# Altium PCB G431_Dev_V2.PcbDoc (part 1 of 2) (continued)
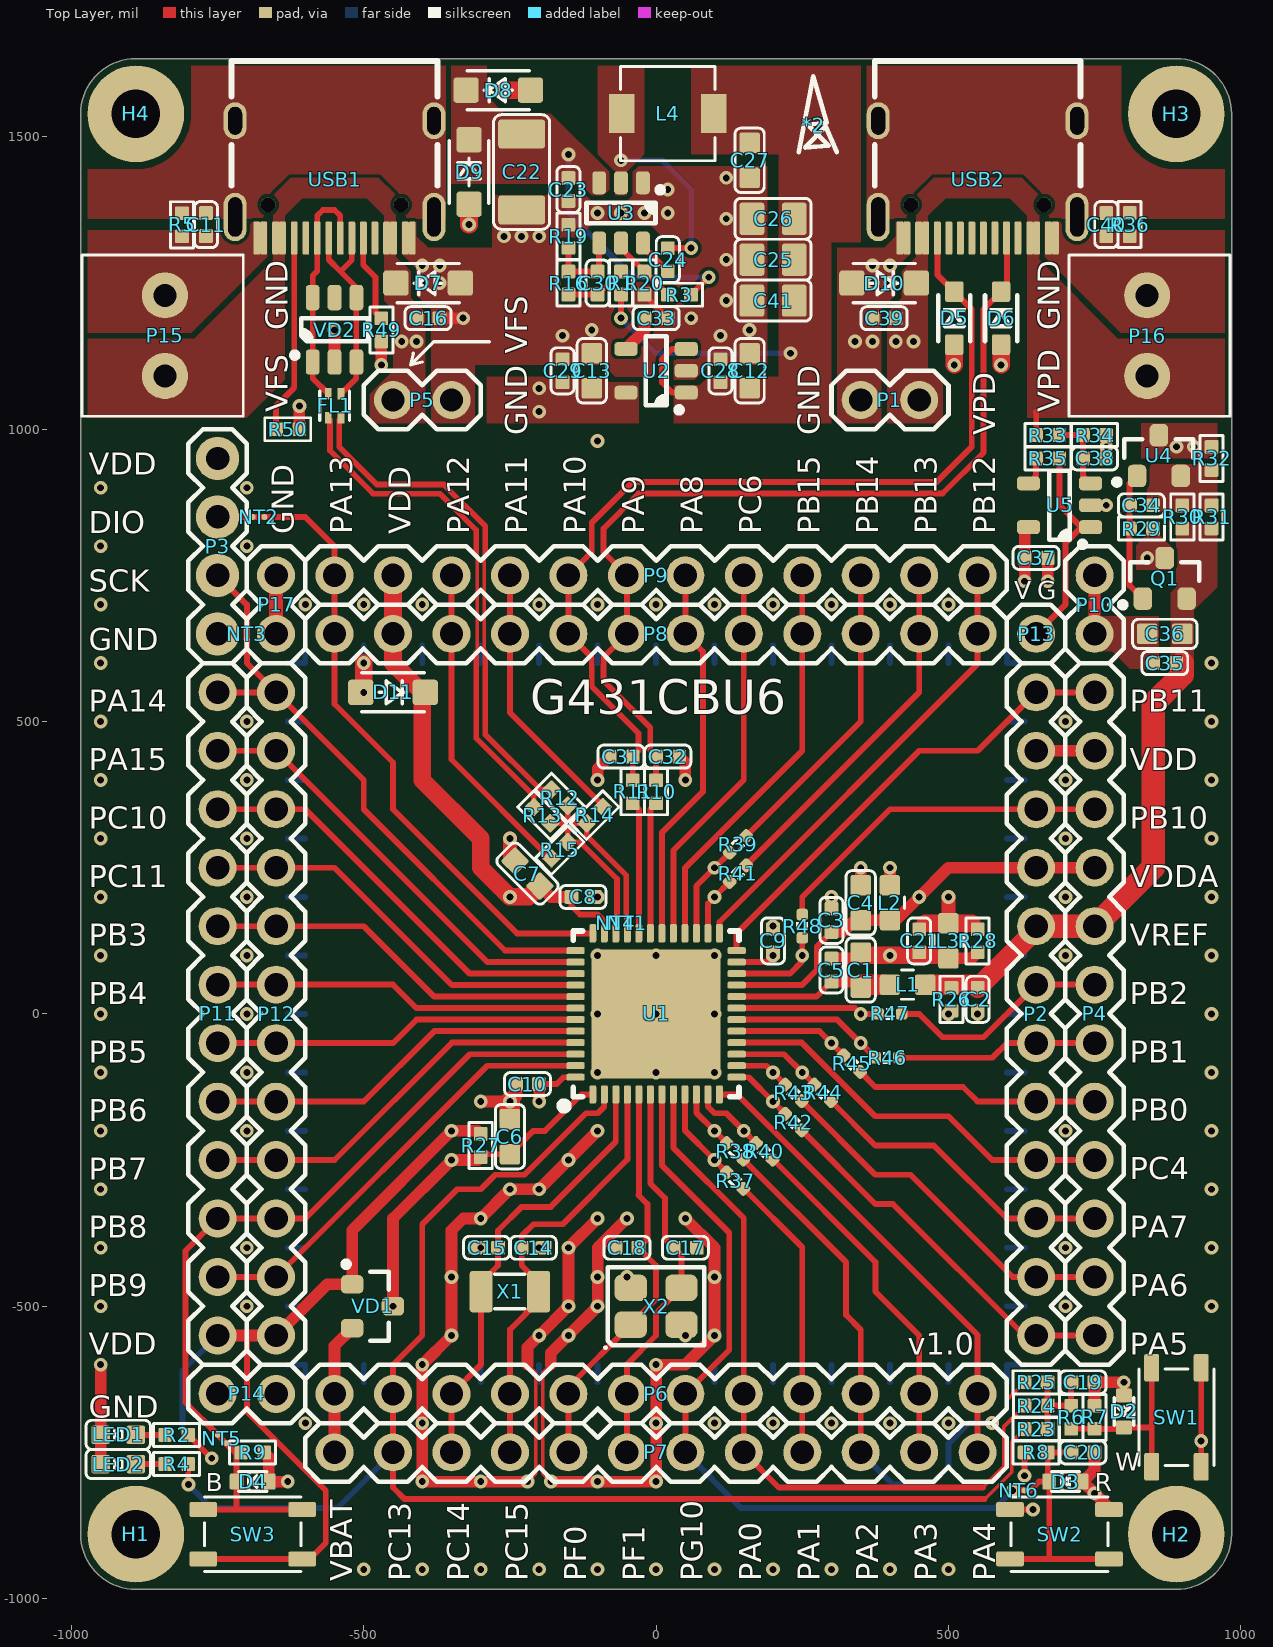
[diagram p0: Top Layer view]
## Components (designator, comment, footprint, x,y, rotation, side; value= is the part's Value field where it differs from the comment) (continued)
NT2 "NetTie" NetTie_D=10MIL_C=10MIL -670,850 r180 top net-tie value=NetTie_200um
NT3 "NetTie" NetTie_D=10MIL_C=10MIL -700,640 r90 top net-tie value=NetTie_200um
NT4 "NetTie" NetTie_D=10MIL_C=10MIL -68.9,145 r90 top net-tie value=NetTie_200um
NT5 "NetTie" NetTie_D=10MIL_C=10MIL -750,-720 r315 top net-tie value=NetTie_200um
NT6 "NetTie" NetTie_D=10MIL_C=10MIL 630,-815 r180 top net-tie value=NetTie_200um
P1 "CONN_X2" 2.54mm_Male_x2 450,1050 r180 top
P2 "CONN_X12" 2.54MM_MALE_X12#1 650,-550 r90 top locked
P3 "CONN_X4" 2.54mm_Male_x4 -750,950 r270 top
P4 "CONN_X12" 2.54MM_MALE_X12#2 750,-550 r90 top locked
P5 "CONN_X2" 2.54mm_Male_x2 -450,1050 r0 top
P6 "CONN_X12" 2.54MM_MALE_X12#1 -550,-650 r0 top locked
P7 "CONN_X12" 2.54MM_MALE_X12#2 -550,-750 r0 top locked
P8 "CONN_X12" 2.54MM_MALE_X12#1 -550,650 r0 top locked
P9 "CONN_X12" 2.54MM_MALE_X12#2 -550,750 r0 top locked
P10 "CONN_X2" 2.54mm_Male_x2 750,650 r90 top
P11 "CONN_X12" 2.54MM_MALE_X12#2 -750,-550 r90 top locked
P12 "CONN_X12" 2.54MM_MALE_X12#3 -650,-550 r90 top locked
P13 "CONN_X1" 2.54mm_Male_x1 650,650 r90 top
P14 "CONN_X2" 2.54mm_Male_x2 -650,-650 r180 top
P15 "CONN_X2" TE_1776275-2 -840,1160 r270 top
P16 "CONN_X2" TE_1776275-2 840,1160 r90 top
P17 "CONN_X2" 2.54mm_Male_x2 -650,650 r90 top
Q1 "MMBT2222ALT1G" "INFINEON SOT-23-3" 870,745 r90 top
R1 "49.9R" R0402 -60,1250 r90 top
R2 "2K" R0402 -820,-720 r180 top
R3 "DNP" R0402 40,1230 r180 top
R4 "2K" R0402 -820,-770 r180 top
R5 "1M" R0402 -810.83,1349.69 r90 top
R6 "330R" R0402 710,-690 r270 top
R7 "100K" R0402 750,-690 r90 top
R8 "10K" R0402 650,-750 r0 top
R9 "100K" R0402 -690,-750 r0 top
R10 "0R" R0402 0,380 r270 top
R11 "0R" R0402 -40,380 r270 top
R12 "0R" R0402 -165,370 r315 top
R13 "0R" R0402 -195,340 r315 top
R14 "0R" R0402 -105,340 r225 top
R15 "0R" R0402 -165,280 r45 top
R16 "100K" R0402 -150,1250 r90 top
R19 "13.3K" R0402 -150,1330 r90 top
R20 "105K" R0402 -20,1250 r270 top
R23 "DNP/220R" R0402 650,-710 r0 top
R24 "DNP/220R" R0402 650.31,-670 r0 top
R25 "DNP/220R" R0402 650,-630 r0 top
R26 "0R" R0402 505,25 r90 top
R27 "0R" R0402 -300,-225 r270 top
R28 "0R" R0402 550,125 r90 top
R29 "180R" R0402 830,830 r0 top
R30 "10K 0.1%" R0402 900,850 r270 top
R31 "0R" R0402 950,850 r270 top
R32 "33K 0.1%" R0402 950,950 r270 top
R33 "330K" R0402 670,990 r180 top
R34 "49K9" R0402 750,990 r0 top
R35 "43K" R0402 670,950 r180 top
R36 "1M" R0402 810,1350 r90 top
R37 "0R" RES_TINY_0402 135,-285 r315 top
R38 "0R" RES_TINY_0402 135,-235 r315 top
R39 "0R" RES_TINY_0402 140,290 r225 top
R40 "0R" RES_TINY_0402 185,-235 r315 top
R41 "0R" RES_TINY_0402 140,240 r225 top
R42 "0R" RES_TINY_0402 235,-185 r135 top
R43 "0R" RES_TINY_0402 235,-135 r135 top
R44 "0R" RES_TINY_0402 285,-135 r135 top
R45 "0R" RES_TINY_0402 335,-85 r135 top
R46 "0R" RES_TINY_0402 395,-75 r180 top
R47 "0R" RES_TINY_0402 400,0 r180 top
R48 "0R" RES_TINY_0402 250,150 r270 top
R49 "5.1K" R0402 -470,1170 r90 top
R50 "5.1K" R0402 -630,1000 r0 top
SW1 "Button-4P" SWITCH_3X4X2.5_4PIN_SMD 890,-690 r90 top
SW2 "Button-4P" SWITCH_3X4X2.5_4PIN_SMD 690,-890 r180 top
SW3 "Button-4P" SWITCH_3X4X2.5_4PIN_SMD -690,-890 r0 top
U1 "STM32G431CBU6" UFQFPN-48_7X7X0P55MM 0,0 r90 top
U2 "ME6211C33M5G" "ANALOG TSOT-23-5 UJ-5" 0,1100 r180 top
U3 "TPS54302" "MICROCHIP SOT-23-6 M6"#1 -60,1370 r270 top
U4 "TL1431" "INFINEON SOT-23-3" 860,955 r90 top
U5 "OPA348" "ANALOG SOT-23-5 RJ-5" 690,870 r180 top
USB1 "Type-C" Type-C-TOP -550,1630 r90 top
USB2 "Type-C" Type-C-TOP 550,1630 r90 top
VD1 "BAT54" "INFINEON SOT-23-3" -485,-500 r0 top
VD2 "USBLC6-2" "MICROCHIP SOT-23-6 M6"#2 -550,1170 r90 top
X1 "32.768KHz" XTAL_2P_3215 -250,-475 r0 top
X2 "8MHz" "EPSON TSX-3225" 0,-500 r0 top

## Footprints (in the part's own frame and the unit in brackets; to place one, negate y for a bottom-side part, rotate by r counter-clockwise, add the part's x,y. Pads: shape width x height; smd on the part's side, far side on the other; paste and mask are expansions set on the pad)
2.54mm_Male_x1 [mm]
  round 1.65 hole 1.016: 1(0,0)
  silkscreen extent -1.27,-1.27 1.27,1.27
2.54mm_Male_x2 [mm]
  round 1.65 hole 1.016: 1(0,0) 2(2.54,0)
  silkscreen extent -1.27,-1.27 3.81,1.27
2.54mm_Male_x4 [mil]
  round 74 hole 40: 1(0,0) 2(100,0) 3(200,0) 4(300,0)
  silkscreen extent -50,-50 350,50
2.54MM_MALE_X12#1 [mm]
  round 1.65 hole 1.016 mask+0.051: 1(0,0) 2(2.54,0) 3(5.08,0) 4(7.62,0) 5(10.16,0) 6(12.7,0) 7(15.24,0) 8(17.78,0) 9(20.32,0) 10(22.86,0) 11(25.4,0) 12(27.94,0)
  silkscreen extent -1.27,-1.27 29.21,1.27
2.54MM_MALE_X12#2 [mm]
  round 1.65 hole 1.016: 1(0,0) 2(2.54,0) 3(5.08,0) 4(7.62,0) 5(10.16,0) 6(12.7,0) 7(15.24,0) 8(17.78,0) 9(20.32,0) 10(22.86,0) 11(25.4,0) 12(27.94,0)
  silkscreen extent -1.27,-1.27 29.21,1.27
2.54MM_MALE_X12#3 [mm]
  round 1.65 hole 1.016 paste+0 mask+0.051: 1(0,0)
  round 1.65 hole 1.016 mask+0.051: 2(2.54,0) 3(5.08,0) 4(7.62,0) 5(10.16,0) 6(12.7,0) 7(15.24,0) 8(17.78,0) 9(20.32,0) 10(22.86,0) 11(25.4,0) 12(27.94,0)
  silkscreen extent -1.27,-1.27 29.21,1.27
"ANALOG SOT-23-5 RJ-5" [mm] "SOT23, 5-Leads, Body 2.90x2.80mm, Pitch 0.95mm, IPC Medium Density"
  rrect50% 1x0.6 smd: 1(-1.35,0.95) 2(-1.35,0) 3(-1.35,-0.95) 4(1.35,-0.95) 5(1.35,0.95)
  silkscreen extent -1.13,-1.5 0.45,1.82, body extent -1.41,-1.45 1.41,1.45, height 1.5
"ANALOG TSOT-23-5 UJ-5" [mm] "SOT23, 5-Leads, Body 2.90x1.60mm, Pitch 0.95mm, IPC Medium Density"
  rrect50% 1x0.6 smd: 1(-1.31,0.95) 2(-1.31,0) 3(-1.31,-0.95) 4(1.31,-0.95) 5(1.31,0.95)
  silkscreen extent -1.13,-1.5 0.45,1.82, body extent -1.4,-1.45 1.4,1.45, height 1
C0402 [mm]
  rrect20% 0.6x0.6 smd: 1(-0.5,0) 2(0.5,0)
  silkscreen extent -1,-0.5 1,0.5, body extent -0.5,-0.26 0.5,0.26, height 0.52
C0603 [mil]
  rrect20% 35x35 smd: 1(-30,0) 2(30,0)
  silkscreen extent -55,-25 55,25, body extent -31,-16 32,16, height 32
C0805 [mil]
  rrect20% 42.5x55 smd: 1(-36.26,0) 2(36.26,0)
  silkscreen extent -65,-35 65,35, body extent -39,-25 39,25, height 49
C1206 [mil]
  rrect20% 50x80 smd: 1(-65,0) 2(65,0)
  silkscreen extent -98,-48 98,48, body extent -63,-32 63,32, height 64
"EPSON TSX-3225" [mm] "Crystal, 4-Leads, Body 2.50x3.20mm, Pitch 2.20mm, IPC Medium Density"
  rrect50% 1.4x1.15 smd: 1(-1.1,-0.8) 2(1.1,-0.8) 3(1.1,0.8) 4(-1.1,0.8)
  silkscreen extent -2.25,-1.85 2.1,1.7, body extent -1.61,-1.26 1.61,1.26, height 0.6
FER0603 [mil]
  rrect25% 35x35 smd: 1(-30,0) 2(30,0)
  silkscreen extent -10,-25 10,25, body extent -31,-16 32,16, height 32
FIL_1210_DLP11RB400UL2L [mm]
  rect 0.5x0.3 smd: 1(-0.525,0.275) 2(0.525,0.275) 3(0.525,-0.275) 4(-0.525,-0.275)
  silkscreen extent -0.63,-0.65 0.63,0.65, body extent -0.63,-0.5 0.63,0.5, height 0.6
"INDUCTOR 0420 4.6X4.1X2MM" [mm]
  rect 1.11x1.7 smd: 1(-1.995,0) 2(1.995,0)
  silkscreen extent -2.05,-2.05 2.05,2.05, body extent -2.24,-2.06 2.24,2.06, height 2.12
"INFINEON SOT-23-3" [mm] "SOT23, 3-Leads, Body 2.90x2.40mm, Pitch 0.95mm, IPC Medium Density"
  rrect50% 0.972x0.802 smd: 1(-0.885,0.95) 2(-0.885,-0.95) 3(0.885,0)
  silkscreen extent -1.27,-1.5 0.7,1.95, body extent -1.16,-1.45 1.16,1.45, height 1
LED0603_BLUE [mm] "Chip Diode, 2-Leads, Body 1.60x0.80mm, IPC Medium Density"
  rrect20% 0.8x0.8 smd: 1(-0.762,0) 2(0.762,0)
  silkscreen extent -1.4,-0.64 1.4,0.64, body extent -0.8,-0.4 0.8,0.4, height 0.53
LED0603_GREEN [mm] "Chip Diode, 2-Leads, Body 1.60x0.80mm, IPC Medium Density"
  rrect20% 0.8x0.8 smd: 1(-0.762,0) 2(0.762,0)
  silkscreen extent -1.4,-0.64 1.4,0.64, body extent -0.8,-0.4 0.8,0.4, height 0.53
"M2.1 D=4.2" [mm]
  round 4.2 hole 2.1: 1(0,0)
"MICROCHIP SOT-23-6 M6"#1 [mm] "SOT23, 6-Leads, Body 2.90x2.80mm, Pitch 0.95mm, IPC Medium Density"
  rrect50% 1x0.6 smd: 1(-1.31,0.95) 2(-1.31,0) 3(-1.31,-0.95) 4(1.31,-0.95) 5(1.31,0) 6(1.31,0.95)
  silkscreen extent -1.12,-1.5 0.45,1.83, body extent -1.46,-1.45 1.46,1.45, height 1.45
"MICROCHIP SOT-23-6 M6"#2 [mm] "SOT23, 6-Leads, Body 2.90x2.80mm, Pitch 0.95mm, IPC Medium Density"
  rrect50% 1.1x0.6 smd: 1(-1.4,0.95) 2(-1.4,0) 3(-1.4,-0.95) 4(1.4,-0.95) 5(1.4,0) 6(1.4,0.95)
  silkscreen extent -1.22,-1.45 0.5,1.85, body extent -1.46,-1.45 1.46,1.45, height 1.45
NetTie_D=10MIL_C=10MIL [mil]
  round 10 smd paste-78.74 mask-78.74: 1(0,0) 2(20,0)
  Top Layer region: 0,5 0,-5 20,-5 20,5
ODG_LOGO [mil]
  silkscreen extent -26,-46 39,84
R0402 [mm]
  rrect20% 0.6x0.6 smd: 1(-0.5,0) 2(0.5,0)
  silkscreen extent -1,-0.5 1,0.5, body extent -0.5,-0.25 0.5,0.25, height 0.35
RES_TINY_0402 [mil]
  rrect50% 20x20 smd: 1(-20,0) 2(20,0)
  silkscreen extent -7,-9 7,9, body extent -20,-10 20,10, height 14
SOD123F [mm] "SODFL, 2-Leads, Body 1.60x3.50mm, IPC Medium Density"
  rrect25% 1.1x1.1 smd: 1(-1.4,0) 2(1.4,0)
  silkscreen extent -1.35,-0.85 1.35,0.85, body extent -1.75,-0.8 1.75,0.8, height 1.1
SOD-323 [mm] "AND9137/D：Universal Footprint for  SO8FL Package"
  rrect25% 0.9x0.8 smd: 1(-1.15,0) 2(1.15,0)
  silkscreen extent -1,-0.7 1,0.7, body extent -1.36,-0.62 1.36,0.63, height 1.05
SOD-523 [mm]
  rrect25% 0.6x0.7 smd: 1(-0.7,0) 2(0.7,0)
  silkscreen extent -0.6,-0.43 0.6,0.43, body extent -0.8,-0.4 0.8,0.4, height 0.82
SWITCH_3X4X2.5_4PIN_SMD [mm]
  rrect25% 1.2x0.65 smd: 1(-2.15,1.075) 2(2.15,1.075) 3(-2.15,-1.075) 4(2.15,-1.075)
  silkscreen extent -2.1,-1.63 2.1,1.63, body extent -2.55,-1.6 2.55,1.6, height 2.5
TE_1776275-2 [mm]
  round 2 hole 1: 1(-1.75,0) 2(1.75,0)
  silkscreen extent -3.5,-3.6 3.5,3.4, body extent -4,-3.6 4,3.4, height 8.3
Type-C-TOP [mm]
  round 0.65 hole 0.65: 0(-6.25,-2.89) 0(-6.25,2.89)
  oval 1.6x1 hole 0.6 slot 1.2 at 0 deg: 1(-2.6,4.32) 2(-2.6,-4.32)
  oval 2.1x1 hole 0.6 slot 1.7 at 0 deg: 3(-6.78,-4.32) 4(-6.78,4.32)
  rrect50% 1.45x0.3 smd: A1(-7.695,-3.375) A4(-7.695,-2.562) A5(-7.695,-1.25) A6(-7.695,-0.25) A7(-7.695,0.25) A8(-7.695,1.25) A9(-7.695,2.562) A12(-7.695,3.375) B1(-7.695,3.075) B4(-7.695,2.262) B5(-7.695,1.75) B6(-7.695,0.75) B7(-7.695,-0.75) B8(-7.695,-1.75) B9(-7.695,-2.262) B12(-7.695,-3.075)
  silkscreen extent -5.43,-4.47 0,4.47, body extent -7.9,-4.47 0,4.47, height 3.16
UFQFPN-48_7X7X0P55MM [mm] "STM32_QFN48"
  rrect50% 0.8x0.3 smd: 1(-3.5,2.75) 2(-3.5,2.25) 3(-3.5,1.75) 4(-3.5,1.25) 5(-3.5,0.75) 6(-3.5,0.25) 7(-3.5,-0.25) 8(-3.5,-0.75) 9(-3.5,-1.25) 10(-3.5,-1.75) 11(-3.5,-2.25) 12(-3.5,-2.75) 25(3.5,-2.75) 26(3.5,-2.25) 27(3.5,-1.75) 28(3.5,-1.25) 29(3.5,-0.75) 30(3.5,-0.25) 31(3.5,0.25) 32(3.5,0.75) 33(3.5,1.25) 34(3.5,1.75) 35(3.5,2.25) 36(3.5,2.75)
  rrect50% 0.3x0.8 smd: 13(-2.75,-3.5) 14(-2.25,-3.5) 15(-1.75,-3.5) 16(-1.25,-3.5) 17(-0.75,-3.5) 18(-0.25,-3.5) 19(0.25,-3.5) 20(0.75,-3.5) 21(1.25,-3.5) 22(1.75,-3.5) 23(2.25,-3.5) 24(2.75,-3.5) 37(2.75,3.5) 38(2.25,3.5) 39(1.75,3.5) 40(1.25,3.5) 41(0.75,3.5) 42(0.25,3.5) 43(-0.25,3.5) 44(-0.75,3.5) 45(-1.25,3.5) 46(-1.75,3.5) 47(-2.25,3.5) 48(-2.75,3.5)
  rrect5% 5.6x5.6 smd paste-10: 49(0,0)
  silkscreen extent -4.14,-3.6 3.6,4.14, body extent -3.56,-3.56 3.56,3.56, height 0.61
XTAL_2P_3215 [mm]
  rrect25% 1x1.8 smd: 1(-1.25,0) 2(1.25,0)
  silkscreen extent -0.65,-0.75 0.65,0.75, body extent -1.6,-0.75 1.6,0.75, height 0.9

## Part data
C1 C2 C3 C4 C5 C6 C7 C8 C9 C10 C11 C12 C13 C14 C15 C16 C17 C18 C19 C20 C21 C22 C23 C24 C25 C26 C27 C28 C29 C30 C31 C32 C33 C34 C35 C36 C37 C38 C39 C40 C41: library part CAP, "Capacitor"
D2 D3 D4 D5 D6 D7 D10 D11: library part TVS_U, "极性：Unidirectional", Package="DFN1006L Taiwan Semiconductor", Check_prices=https://www.snapeda.com/parts/TESD5V0L1UC%20RJG/Taiwan+Semiconductor/view-part/?ref=eda, Digi-Key_Part_Number=TESD5V0L1UCRJGTR-ND, MF="Taiwan Semiconductor Corporation", MP="TESD5V0L1UC RJG", Purchase-URL="https://pricing.snapeda.com/search/part/TESD5V0L1UC RJG/?ref=eda", SnapEDA_Link=https://www.snapeda.com/parts/TESD5V0L1UC%20RJG/Taiwan+Semiconductor/view-part/?ref=snap
D8 D9: library part DIODE, "二极管"
FL1: library part Common_Mode_Filter_USB, "Chip Common Mode Choke Coil", Package=None, Availability=Unavailable, MP=DLP11RB400UL2L, Price=None
L1 L2 L3: library part inductor_mini, "贴片叠层电感"
L4: library part Inductor_power, "功率电感"
NT1 NT2 NT3 NT4 NT5 NT6: "Net Tie", Part Number="NetTie 0.2mm", Part number IPS=N.A., Artikkelnr Noca=N.A., Component Class=Connectors, ComponentLink1Description=Datasheet, ComponentLink2Description="Supplier link", Footprint Doc=NetTie, LatestRevisionDate=2019-10-07, Pad Count=2, PartId=100500654, Pin Count=2, Published=2019-10-07, Publisher="Nordic Semiconductor"
Q1: library part NPN, "NPN型"
R1 R2 R3 R4 R5 R6 R7 R8 R9 R10 R11 R12 R13 R14 R15 R16 R19 R20 R23 R24 R25 R26 R27 R28 R29 R30 R31 R32 R33 R34 R35 R36 R37 R38 R39 R40 R41 R42 R43 R44 R45 R46 R47 R48 R49 R50: library part RES, "IEC Standard"
SW1 SW2 SW3: "Button"
U1: Mfr_Name=STMicroelectronics, Copyright="Copyright (C) 2023 Ultra Librarian. All rights reserved.", Manufacturer_Part_Number=STM32G431CBU6, RefDes=RefDes, Type=DEV
U2: "线性稳压芯片"
U3: "4.5-V to 28-V Input, 3-A Output, EMI Friendly Synchronous Step Down Converter"
U4: library part "TL1431 (SOT23-3)", "Programmable voltage reference"
U5: library part AD8605ARTZ, "精密、低噪声、CMOS、轨到轨输入/输出运算放大器", ComponentLink1Description=https://www.analog.com/media/cn/technical-documentation/data-sheets/AD8605_8606_8608_cn.pdf, ComponentLink1URL=https://www.analog.com/media/cn/technical-documentation/data-sheets/AD8605_8606_8608_cn.pdf
USB1 USB2: library part USB-Type-C_16P
VD1: library part BAT54C, "贴片肖特基二极管"
VD2: "Very low capacitance ESD protection / Features / • 2 data-line protection / • Protects VBUS / • Very low capacitance: 3.5 pF max. / • Very low leakage current: 150 nA max. / • SOT-666 and SOT23-6L packages / • RoHS compliant"
X1: library part XTAL-2P, "2脚无源石英晶振", BOM名称=4脚无源晶振, 学习资源=www.ooocke.com, 版权归属=源创客
X2: library part XTAL-4P, "4脚无源石英晶振", BOM名称=4脚无源晶振, 学习资源=www.ooocke.com, 版权归属=源创客

## Free pads (board coordinates)
  rrect20% 31.5x31.5 smd far side mask+2: ""(-625,-550) ""(-625,-450) ""(-625,-350) ""(-625,-250) ""(-625,-150) ""(-625,-50) ""(-625,50) ""(-625,150) ""(-625,250) ""(-625,350) ""(-625,450) ""(-625,550) ""(-550,-625) ""(-550,625) ""(-450,-625) ""(-450,625) ""(-350,-625) ""(-350,625) ""(-250,-625) ""(-250,625) ""(-150,-625) ""(-150,625) ""(-50,-625) ""(-50,625) ""(50,-625) ""(50,625) ""(150,-625) ""(150,625) ""(250,-625) ""(250,625) ""(350,-625) ""(350,625) ""(450,-625) ""(450,625) ""(550,-625) ""(550,625) ""(625,-550) ""(625,-450) ""(625,-350) ""(625,-250) ""(625,-150) ""(625,-50) ""(625,50) ""(625,150) ""(625,250) ""(625,350) ""(625,450) ""(625,550)
  rrect20% 31.5x31.5 smd far side: ""(-600,-600) ""(-600,-550) ""(-600,-500) ""(-600,-450) ""(-600,-400) ""(-600,-350) ""(-600,-300) ""(-600,-250) ""(-600,-200) ""(-600,-150) ""(-600,-100) ""(-600,-50) ""(-600,0) ""(-600,50) ""(-600,100) ""(-600,150) ""(-600,200) ""(-600,250) ""(-600,300) ""(-600,350) ""(-600,400) ""(-600,450) ""(-600,500) ""(-600,550) ""(-600,600) ""(-550,-600) ""(-550,-550) ""(-550,-500) ""(-550,-450) ""(-550,-400) ""(-550,-350) ""(-550,-300) ""(-550,-250) ""(-550,-200) ""(-550,-150) ""(-550,-100) ""(-550,-50) ""(-550,0) ""(-550,50) ""(-550,100) ""(-550,150) ""(-550,200) ""(-550,250) ""(-550,300) ""(-550,350) ""(-550,400) ""(-550,450) ""(-550,500) ""(-550,550) ""(-550,600) ""(-500,-600) ""(-500,-550) ""(-500,-500) ""(-500,-450) ""(-500,-400) ""(-500,-350) ""(-500,-300) ""(-500,-250) ""(-500,-200) ""(-500,-150) ""(-500,-100) ""(-500,-50) ""(-500,0) ""(-500,50) ""(-500,100) ""(-500,150) ""(-500,200) ""(-500,250) ""(-500,300) ""(-500,350) ""(-500,400) ""(-500,450) ""(-500,500) ""(-500,550) ""(-500,600) ""(-450,-600) ""(-450,-550) ""(-450,-500) ""(-450,-450) ""(-450,-400) ""(-450,-350) ""(-450,-300) ""(-450,-250) ""(-450,-200) ""(-450,-150) ""(-450,-100) ""(-450,-50) ""(-450,0) ""(-450,50) ""(-450,100) ""(-450,150) ""(-450,200) ""(-450,250) ""(-450,300) ""(-450,350) ""(-450,400) ""(-450,450) ""(-450,500) ""(-450,550) ""(-450,600) ""(-400,-600) ""(-400,-550) ""(-400,-500) ""(-400,-450) ""(-400,-400) ""(-400,-350) ""(-400,-300) ""(-400,-250) ""(-400,-200) ""(-400,-150) ""(-400,-100) ""(-400,-50) ""(-400,0) ""(-400,50) ""(-400,100) ""(-400,150) ""(-400,200) ""(-400,250) ""(-400,300) ""(-400,350) ""(-400,400) ""(-400,450) ""(-400,500) ""(-400,550) ""(-400,600) ""(-350,-600) ""(-350,-550) ""(-350,-500) ""(-350,-450) ""(-350,-400) ""(-350,-350) ""(-350,-300) ""(-350,-250) ""(-350,-200) ""(-350,-150) ""(-350,-100) ""(-350,-50) ""(-350,0) ""(-350,50) ""(-350,100) ""(-350,150) ""(-350,200) ""(-350,250) ""(-350,300) ""(-350,350) ""(-350,400) ""(-350,450) ""(-350,500) ""(-350,550) ""(-350,600) ""(-300,-600) ""(-300,-550) ""(-300,-500) ""(-300,-450) ""(-300,-400) ""(-300,-350) ""(-300,-300) ""(-300,-250) ""(-300,-200) ""(-300,-150) ""(-300,-100) ""(-300,-50) ""(-300,0) ""(-300,50) ""(-300,100) ""(-300,150) ""(-300,200) ""(-300,250) ""(-300,300) ""(-300,350) ""(-300,400) ""(-300,450) ""(-300,500) ""(-300,550) ""(-300,600) ""(-250,-600) ""(-250,-550) ""(-250,-500) ""(-250,-450) ""(-250,-400) ""(-250,-350) ""(-250,-300) ""(-250,-250) ""(-250,-200) ""(-250,-150) ""(-250,-100) ""(-250,-50) ""(-250,0) ""(-250,50) ""(-250,100) ""(-250,150) ""(-250,200) ""(-250,250) ""(-250,300) ""(-250,350) ""(-250,400) ""(-250,450) ""(-250,500) ""(-250,550) ""(-250,600) ""(-200,-600) ""(-200,-550) ""(-200,-500) ""(-200,-450) ""(-200,-400) ""(-200,-350) ""(-200,-300) ""(-200,-250) ""(-200,-200) ""(-200,-150) ""(-200,-100) ""(-200,-50) ""(-200,0) ""(-200,50) ""(-200,100) ""(-200,150) ""(-200,200) ""(-200,250) ""(-200,300) ""(-200,350) ""(-200,400) ""(-200,450) ""(-200,500) ""(-200,550) ""(-200,600) ""(-150,-600) ""(-150,-550) ""(-150,-500) ""(-150,-450) ""(-150,-400) ""(-150,-350) ""(-150,-300) ""(-150,-250) ""(-150,-200) ""(-150,-150) ""(-150,-100) ""(-150,-50) ""(-150,0) ""(-150,50) ""(-150,100) ""(-150,150) ""(-150,200) ""(-150,250) ""(-150,300) ""(-150,350) ""(-150,400) ""(-150,450) ""(-150,500) ""(-150,550) ""(-150,600) ""(-100,-600) ""(-100,-550) ""(-100,-500) ""(-100,-450) ""(-100,-400) ""(-100,-350) ""(-100,-300) ""(-100,-250) ""(-100,-200) ""(-100,-150) ""(-100,-100) ""(-100,-50) ""(-100,0) ""(-100,50) ""(-100,100) ""(-100,150) ""(-100,200) ""(-100,250) ""(-100,300) ""(-100,350) ""(-100,400) ""(-100,450) ""(-100,500) ""(-100,550) ""(-100,600) ""(-50,-600) ""(-50,-550) ""(-50,-500) ""(-50,-450) ""(-50,-400) ""(-50,-350) ""(-50,-300) ""(-50,-250) ""(-50,-200) ""(-50,-150) ""(-50,-100) ""(-50,-50) ""(-50,0) ""(-50,50) ""(-50,100) ""(-50,150) ""(-50,200) ""(-50,250) ""(-50,300) ""(-50,350) ""(-50,400) ""(-50,450) ""(-50,500) ""(-50,550) ""(-50,600) ""(0,-600) ""(0,-550) ""(0,-500) ""(0,-450) ""(0,-400) ""(0,-350) ""(0,-300) ""(0,-250) ""(0,-200) ""(0,-150) ""(0,-100) ""(0,-50) ""(0,0) ""(0,50) ""(0,100) ""(0,150) ""(0,200) ""(0,250) ""(0,300) ""(0,350) ""(0,400) ""(0,450) ""(0,500) ""(0,550) ""(0,600) ""(50,-600) ""(50,-550) ""(50,-500) ""(50,-450) ""(50,-400) ""(50,-350) ""(50,-300) ""(50,-250) ""(50,-200) ""(50,-150) ""(50,-100) ""(50,-50) ""(50,0) ""(50,50) ""(50,100) ""(50,150) ""(50,200) ""(50,250) ""(50,300) ""(50,350) ""(50,400) ""(50,450) ""(50,500) ""(50,550) ""(50,600) ""(100,-600) ""(100,-550) ""(100,-500) ""(100,-450) ""(100,-400) ""(100,-350) ""(100,-300) ""(100,-250) ""(100,-200) ""(100,-150) ""(100,-100) ""(100,-50) ""(100,0) ""(100,50) ""(100,100) ""(100,150) ""(100,200) ""(100,250) ""(100,300) ""(100,350) ""(100,400) ""(100,450) ""(100,500) ""(100,550) ""(100,600) ""(150,-600) ""(150,-550) ""(150,-500) ""(150,-450) ""(150,-400) ""(150,-350) ""(150,-300) ""(150,-250) ""(150,-200) ""(150,-150) ""(150,-100) ""(150,-50) ""(150,0) ""(150,50) ""(150,100) ""(150,150) ""(150,200) ""(150,250) ""(150,300) ""(150,350) ""(150,400) ""(150,450) ""(150,500) ""(150,550) ""(150,600) ""(200,-600) ""(200,-550) ""(200,-500) ""(200,-450) ""(200,-400) ""(200,-350) ""(200,-300) ""(200,-250) ""(200,-200) ""(200,-150) ""(200,-100) ""(200,-50) ""(200,0) ""(200,50) ""(200,100) ""(200,150) ""(200,200) ""(200,250) ""(200,300) ""(200,350) ""(200,400) ""(200,450) ""(200,500) ""(200,550) ""(200,600) ""(250,-600) ""(250,-550) ""(250,-500) ""(250,-450) ""(250,-400) ""(250,-350) ""(250,-300) ""(250,-250) ""(250,-200) ""(250,-150) ""(250,-100) ""(250,-50) ""(250,0) ""(250,50) ""(250,100) ""(250,150) ""(250,200) ""(250,250) ""(250,300) ""(250,350) ""(250,400) ""(250,450) ""(250,500) ""(250,550) ""(250,600) ""(300,-600) ""(300,-550) ""(300,-500) ""(300,-450) ""(300,-400) ""(300,-350) ""(300,-300) ""(300,-250) ""(300,-200) ""(300,-150) ""(300,-100) ""(300,-50) ""(300,0) ""(300,50) ""(300,100) ""(300,150) ""(300,200) ""(300,250) ""(300,300) ""(300,350) ""(300,400) ""(300,450) ""(300,500) ""(300,550) ""(300,600) ""(350,-600) ""(350,-550) ""(350,-500) ""(350,-450) ""(350,-400) ""(350,-350) ""(350,-300) ""(350,-250) ""(350,-200) ""(350,-150) ""(350,-100) ""(350,-50) ""(350,0) ""(350,50) ""(350,100) ""(350,150) ""(350,200) ""(350,250) ""(350,300) ""(350,350) ""(350,400) ""(350,450) ""(350,500) ""(350,550) ""(350,600) ""(400,-600) ""(400,-550) ""(400,-500) ""(400,-450) ""(400,-400) ""(400,-350) ""(400,-300) ""(400,-250) ""(400,-200) ""(400,-150) ""(400,-100) ""(400,-50) ""(400,0) ""(400,50) ""(400,100) ""(400,150) ""(400,200) ""(400,250) ""(400,300) ""(400,350) ""(400,400) ""(400,450) ""(400,500) ""(400,550) ""(400,600) ""(450,-600) ""(450,-550) ""(450,-500) ""(450,-450) ""(450,-400) ""(450,-350) ""(450,-300) ""(450,-250) ""(450,-200) ""(450,-150) ""(450,-100) ""(450,-50) ""(450,0) ""(450,50) ""(450,100) ""(450,150) ""(450,200) ""(450,250) ""(450,300) ""(450,350) ""(450,400) ""(450,450) ""(450,500) ""(450,550) ""(450,600) ""(500,-600) ""(500,-550) ""(500,-500) ""(500,-450) ""(500,-400) ""(500,-350) ""(500,-300) ""(500,-250) ""(500,-200) ""(500,-150) ""(500,-100) ""(500,-50) ""(500,0) ""(500,50) ""(500,100) ""(500,150) ""(500,200) ""(500,250) ""(500,300) ""(500,350) ""(500,400) ""(500,450) ""(500,500) ""(500,550) ""(500,600) ""(550,-600) ""(550,-550) ""(550,-500) ""(550,-450) ""(550,-400) ""(550,-350) ""(550,-300) ""(550,-250) ""(550,-200) ""(550,-150) ""(550,-100) ""(550,-50) ""(550,0) ""(550,50) ""(550,100) ""(550,150) ""(550,200) ""(550,250) ""(550,300) ""(550,350) ""(550,400) ""(550,450) ""(550,500) ""(550,550) ""(550,600) ""(600,-600) ""(600,-550) ""(600,-500) ""(600,-450) ""(600,-400) ""(600,-350) ""(600,-300) ""(600,-250) ""(600,-200) ""(600,-150) ""(600,-100) ""(600,-50) ""(600,0) ""(600,50) ""(600,100) ""(600,150) ""(600,200) ""(600,250) ""(600,300) ""(600,350) ""(600,400) ""(600,450) ""(600,500) ""(600,550) ""(600,600)

## Via types
v1: diameter 23.62, hole 11.81, Top Layer to Bottom Layer, tented both sides, 217 vias

## Nets (pads, with @x,y where several pads share a name; then routed paths per layer and width w, separated by ;. In a path a pad name is that pad's centre, name@x,y a point inside that pad or via, vN(x,y) a via of type N, cw(c..) or ccw(c..) an arc to the next point about the centre after c; other vN are vias at no path point)
3V6: C12.2 C25.1 C26.1 C27.1 C28.1 C41.2 L4.2 R1.1 U2.1 U2.3 | length 492.7
  Top Layer w10: v1(-60,1190) R1.1@-60,1230.31 ; U2.1@51.57,1062.6 27.4,1062.6 10,1080 10,1120 27.4,1137.4 U2.3@51.57,1137.4
  Bottom Layer w10: v1(-60,1190) 0,1130 v1(230,1130)
.PA1: P6.9 P7.9 pad.@250,-600 pad.@250,-625 R37.2 | length 493.3
  Top Layer w10: R37.2@148.83,-298.83 R37.2@149.14,-299.14 ; R37.2@149.53,-298.75 250,-399.22 P6.9@250,-650 P7.9@250,-750
.PA2: P6.10 P7.10 pad.@350,-600 pad.@350,-625 R25.1 R38.2 | length 990.6
  Top Layer w6: v1(574.35,-699.77) 574.58,-700 575,-700 600,-675 600,-660.32 R25.1@630.31,-630
  Top Layer w10: R38.2@150,-250 325,-425 325,-515 350,-540 P6.10@350,-650 P7.10@350,-750
  Bottom Layer w10: P7.10@350,-750 405,-805 470,-805 500,-775 500,-735 535.23,-699.77 v1(574.35,-699.77)
.PA3: P6.11 P7.11 pad.@450,-600 pad.@450,-625 R40.2 | length 605.2
  Top Layer w10: R40.2@199.14,-249.14 199.93,-249.14 375,-424.22 375,-475 450,-550 P6.11@450,-650 P7.11@450,-750
.PA5: P2.1 P4.1 pad.@600,-550 pad.@625,-550 R42.1 | length 645
  Top Layer w10: R42.1@250,-200 375,-325 405,-325 630,-550 P2.1@650,-550 P4.1@750,-550
.PA6: P2.2 P4.2 pad.@600,-450 pad.@625,-450 R43.1 | length 627.8
  Top Layer w10: R43.1@247.48,-147.48 R43.1@249.14,-149.14 375,-275 435,-275 610,-450 P2.2@650,-450 P4.2@750,-450
.PA7: P2.3 P4.3 pad.@600,-350 pad.@625,-350 R44.1 | length 534.1
  Top Layer w10: R44.1@299.14,-149.14 375,-225 475,-225 600,-350 P2.3@650,-350 P4.3@750,-350
.PA11: P8.4 P9.4 pad.@-250,600 pad.@-250,625 R14.1 | length 451.3
  Top Layer w10: P8.4@-250,650 -250,515 R14.1@-90,355 ; P8.4@-250,660 P9.4@-250,750
.PA12: P8.3 P9.3 pad.@-350,600 pad.@-350,625 R15.1 | length 555.4
  Top Layer w10: P9.3@-350,750 P8.3@-350,650 -350,435 R15.1@-180,265
.PB0: P2.5 P4.5 pad.@600,-150 pad.@625,-150 R45.1 | length 421.9
  Top Layer w10: R45.1@349.14,-99.14 375,-125 525,-125 550,-150 P2.5@650,-150 P4.5@750,-150
.PB1: P2.6 P4.6 pad.@600,-50 pad.@625,-50 R46.1 | length 345.4
  Top Layer w10: R46.1@415,-75 575,-75 600,-50 P2.6@650,-50 P4.6@750,-50
.PB2: P2.7 P4.7 pad.@600,50 pad.@625,50 R47.1 | length 383.8
  Top Layer w10: R47.1@420,0 450,0 490,-40 560,-40 P2.7@650,50 P4.7@750,50
.PB10: P2.10 P4.10 pad.@600,350 pad.@625,350 R48.1 | length 592.1
  Top Layer w10: R48.1@250,170 250,200 400,350 P2.10@650,350 P4.10@750,350
.PB13: P8.11 P9.11 pad.@450,600 pad.@450,625 R41.1 | length 618.4
  Top Layer w10: R41.1@154.14,254.14 450,550 P8.11@450,650 P9.11@450,750
.PB14: P8.10 P9.10 pad.@350,600 pad.@350,625 R39.1 | length 527
  Top Layer w10: R39.1@154.14,304.14 350,500 P8.10@350,650 P9.10@350,750
AGND: C1.2 C2.1 C3.1 C4.1 C5.2 C21.1 C35.2 C36.2 C37.2 L3.2 P10.1 P10.2 pad.@300,200 pad.@350,250 pad.@400,100 pad.@550,0 pad.@600,100 pad.@600,200 pad.@600,300 pad.@600,400 R28.1 R32.1 U4.3 U5.2 | length 570.6
  Top Layer w20: C5.2@300,94.68 339.69,94.68 C1.2@350,105 C1.2@355,100 ; C3.1@300,179.69 v1(300,200) ; C4.1@350,220 v1(350,250) ; L3.2@500,95 539.69,95 R28.1@550,105.31 ; v1(670,740) C37.2@670,779.69 ; P10.1@750,650 P10.2@750,750
  Top Layer w30: C1.2@355,100 v1(400,100) L3.2@500,100
  Bottom Layer w10: pad.@600,100 630,100 ; pad.@600,200 630,200 ; pad.@600,300 630,300 ; pad.@600,400 630,400
  other v1: 550,0 700,100 950,100 700,200 950,200 700,300 950,300 700,400 950,400 950,500 950,600 770,870 890,970 920,970
AVDD: C3.2 C4.2 C37.1 L2.2 P2.9 P4.9 pad.@450,200 pad.@600,250 pad.@625,250 U1.21 U5.5 | length 798.2
  Top Layer w10: U1.21@137.8,49.21 249.21,49.21 275,75 275,115.31 C3.2@290,130.31
  Top Layer w20: C3.2@300,140.31 320.31,140.31 340,160 C4.2@350,160 L2.2@400,160 410,160 v1(450,200) 500,250 P2.9@650,250 P4.9@747.97,250 ; v1(630,740) 630.31,740.31 C37.1@630.31,780 630.31,826.06 U5.5@636.85,832.6
BOOT0: D4.2 NT5.2 R9.1 SW3.1 SW3.2 | length 302.1
  Top Layer w10: SW3.1@-774.65,-847.68 -717.32,-847.68 ; NT5.2@-735.86,-734.14 -720,-750 R9.1@-712.13,-750 ; R9.1@-709.68,-750 R9.1@-712.13,-750 ; SW3.2@-605.35,-847.68 -717.32,-847.68 ; -717.32,-847.68 -717.56,-847.44 D4.2@-717.56,-800 -717.56,-755.43 R9.1@-712.13,-750
EX_VBAT: P6.1 P7.1 pad.@-550,-600 pad.@-550,-625 VD1.2 | length 225.1
  Top Layer w20: P7.1@-550,-750 P6.1@-550,-650 -550,-567.56 VD1.2@-519.84,-537.4